# Altium PCB PROB_S7CAS_PCB.PcbDoc (part 2 of 6) (continued)
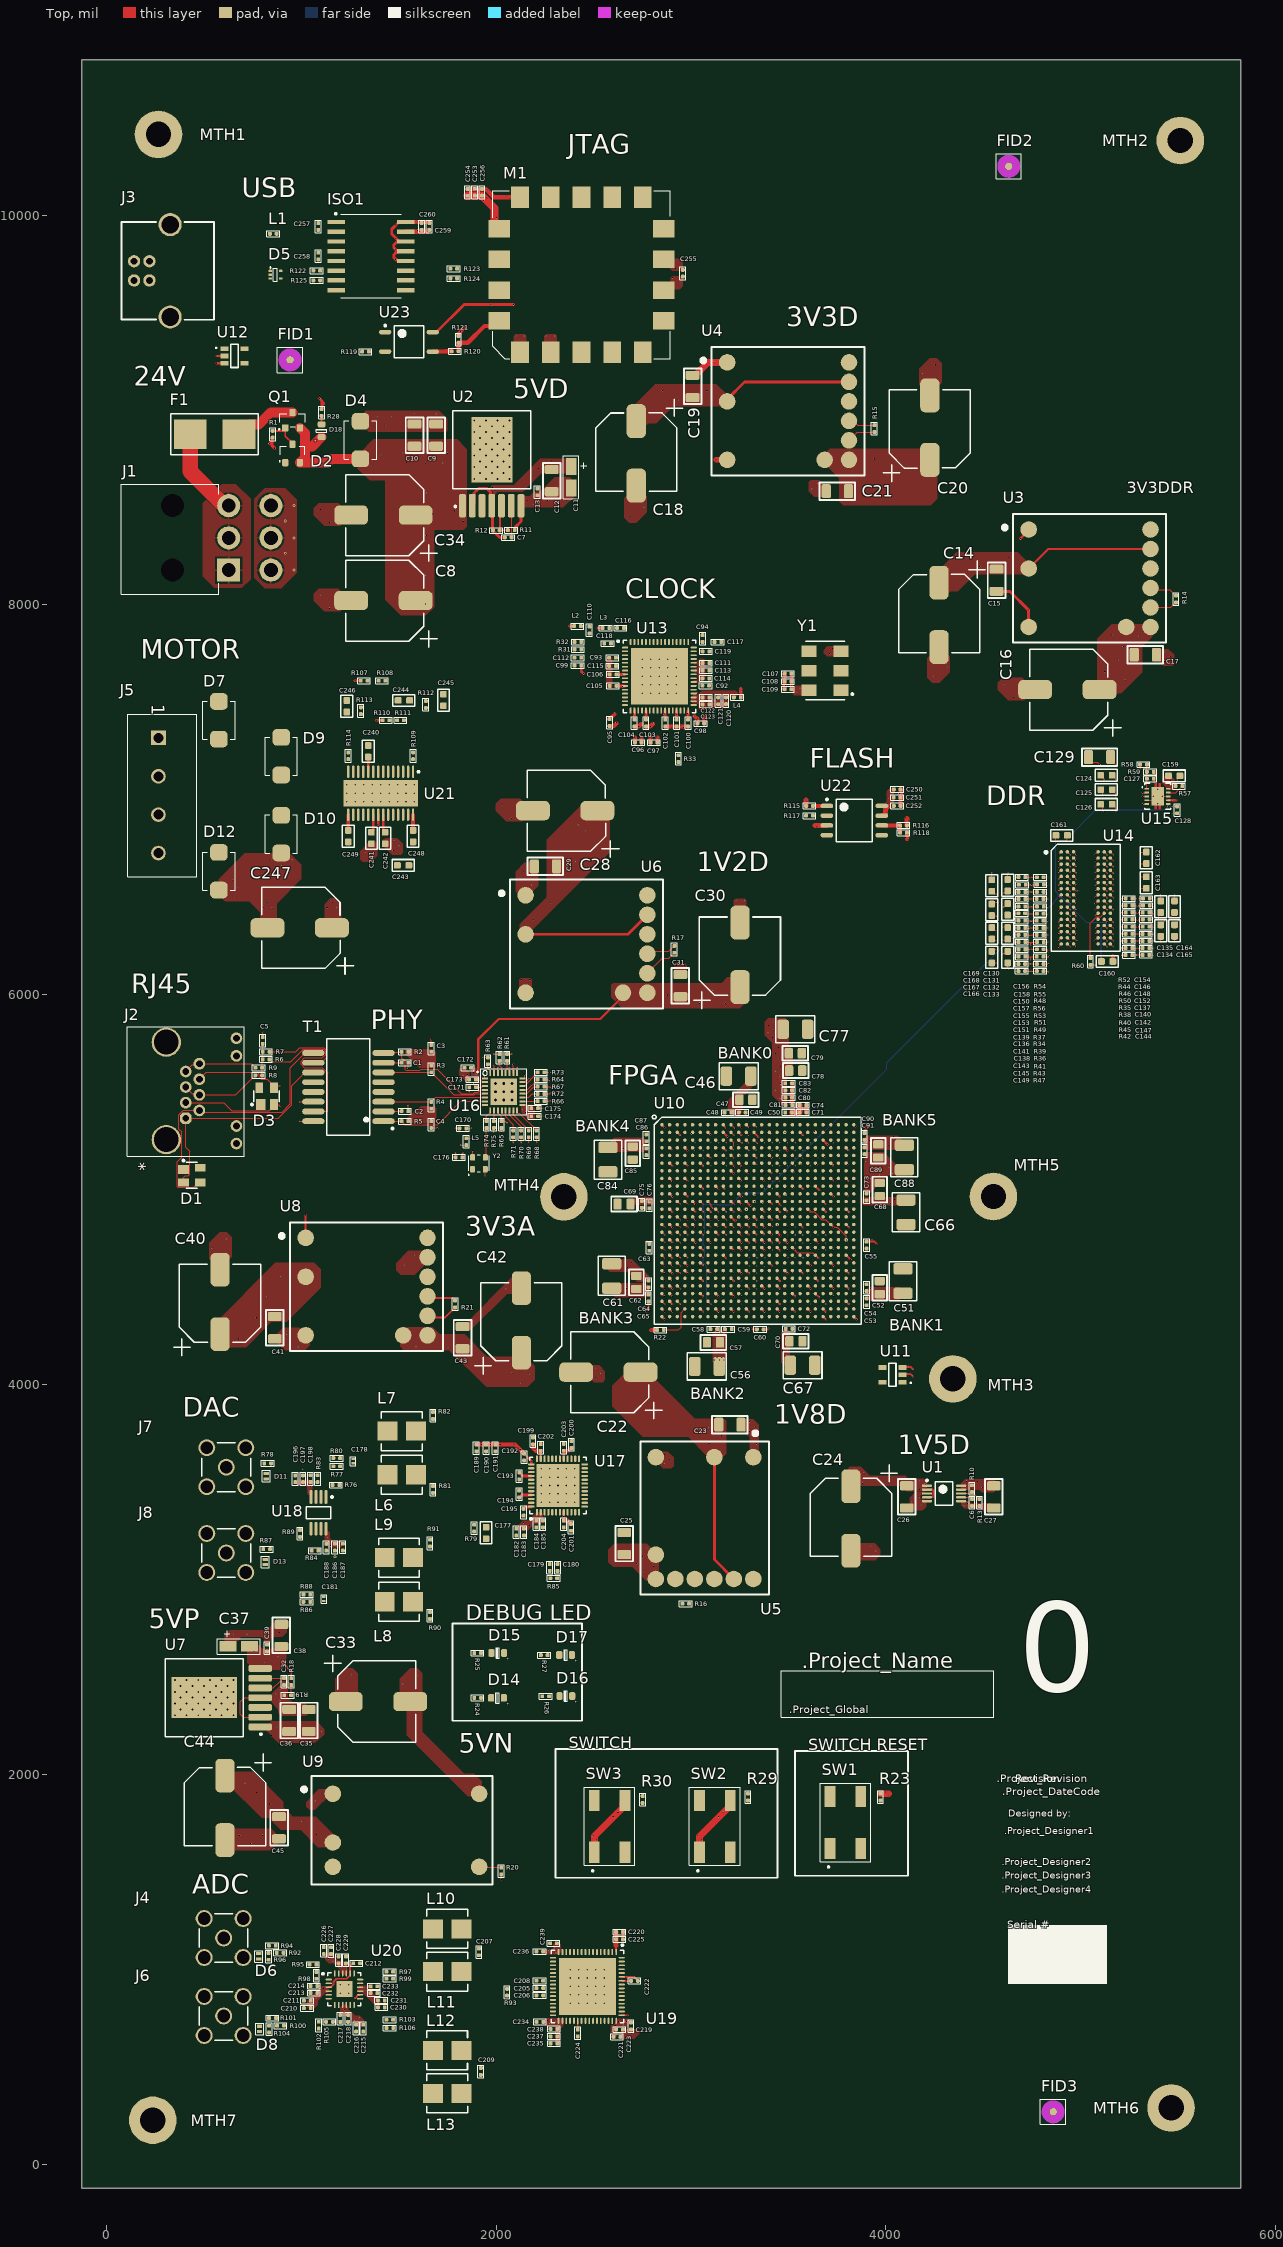
[diagram p0: Top view]
## Footprints (in the part's own frame and the unit in brackets; to place one, negate y for a bottom-side part, rotate by r counter-clockwise, add the part's x,y. Pads: shape width x height; smd on the part's side, far side on the other; paste and mask are expansions set on the pad) (continued)
  oval 0.23x0.8 smd mask+0.07: 17(-3.75,-4.475) 18(-3.25,-4.475) 19(-2.75,-4.475) 20(-2.25,-4.475) 21(-1.75,-4.475) 22(-1.25,-4.475) 23(-0.75,-4.475) 24(-0.25,-4.475) 25(0.25,-4.475) 26(0.75,-4.475) 27(1.25,-4.475) 28(1.75,-4.475) 29(2.25,-4.475) 30(2.75,-4.475) 31(3.25,-4.475) 32(3.75,-4.475) 49(3.75,4.475) 50(3.25,4.475) 51(2.75,4.475) 52(2.25,4.475) 53(1.75,4.475) 54(1.25,4.475) 55(0.75,4.475) 56(0.25,4.475) 57(-0.25,4.475) 58(-0.75,4.475) 59(-1.25,4.475) 60(-1.75,4.475) 61(-2.25,4.475) 62(-2.75,4.475) 63(-3.25,4.475) 64(-3.75,4.475)
  rect 7.4x7.4 smd mask+0.07: PAD(0,0)
  silkscreen extent -5.5,-4.72 4.72,4.72, body extent -4.57,-4.57 4.57,4.57, height 1
TRANSFO_H1102NLT [mil]
  oval 115x30 smd: 1(-180,175) 2(-180,125) 3(-180,75) 4(-180,25) 5(-180,-25) 6(-180,-75) 7(-180,-125) 8(-180,-175) 9(180,-175) 10(180,-125) 11(180,-75) 12(180,-25) 13(180,25) 14(180,75) 15(180,125) 16(180,175)
  silkscreen extent -230,-248 110,248, body extent -175,-252 175,252, height 215
TRX_NMOS_SI2310-TP [mm]
  rrect20% 0.9x0.8 smd paste-0.025 mask+0.07: 1(-1,0.95) 2(-1,-0.95) 3(1,0)
  silkscreen extent -1.24,-1.65 0.84,1.79, body extent -1.32,-1.52 1.32,1.52, height 1.22
TSSOP50P490X104-10N [mm] "TSSOP, 10-Leads, Body 3.00x3.00mm, Pitch 0.50mm, IPC Medium Density"
  oval 1.35x0.3 smd: 1(-2.225,1) 2(-2.225,0.5) 3(-2.225,0) 4(-2.225,-0.5) 5(-2.225,-1) 6(2.225,-1) 7(2.225,-0.5) 8(2.225,0) 9(2.225,0.5) 10(2.225,1)
  silkscreen extent -2.35,-1.55 1.15,1.82, body extent -1.55,-1.55 1.55,1.55, height 1.04
TVS_DATA_TPD1E1B04DPYR [mm]
  rrect25% 0.4x0.7 smd paste-0.025 mask+0.05: 1(-0.35,0) 2(0.35,0)
  silkscreen extent -0.75,-0.53 0.75,0.53, body extent -0.5,-0.3 0.5,0.3, height 0.45
TVS_PWR_SMBJ36CA [mm]
  rrect50% 2.16x2.26 smd paste+0 mask+0.102: 1(-2.45,0) 2(2.45,0)
  silkscreen extent -2.5,-2.1 2.5,2.1, body extent -2.6,-1.97 2.6,1.97, height 2.61
TVS_SR3.3.TCT [mm] "SOT143, 4-Leads, Body 3,0x2,6mm (max), Pitch 1,92mm, IPC Medium Density"
  rect 1.4x1.2 smd: 1(-1.1,0.76)
  rect 1.4x1 smd: 2(-1.1,-0.96) 3(1.1,-0.96) 4(1.1,0.96)
  silkscreen extent -1.22,-1.68 0.7,2.03, body extent -1.14,-1.42 1.22,1.48, height 1.22
TVS_USB_TPD2E001DRLR [mm]
  rrect50% 0.45x0.3 smd paste-0.025 mask+0.05: 1(-0.675,0.5) 2(-0.675,0) 3(-0.675,-0.5) 4(0.675,-0.5) 5(0.675,0.5)
  silkscreen extent -0.73,-0.85 0.25,1.01, body extent -0.8,-0.8 0.8,0.8, height 0.49

## Part data
C1 C2 C3 C4 C6 C7 C13 C32 C39 C48 C49 C50 C53 C54 C55 C58 C59 C60 C63 C64 C65 C71 C72 C73 C74 C75 C76 C80 C81 C82 C83 C86 C87 C90 C91 C92 C93 C94 C95 C96 C97 C98 C99 C100 C101 C102 C103 C104 C105 C106 C107 C108 C109 C110 C111 C112 C113 C114 C115 C116 C117 C118 C119 C120 C121 C122 C123 C127 C128 C136 C137 C138 C139 C140 C141 C142 C143 C144 C145 C146 C147 C148 C149 C150 C151 C152 C153 C154 C155 C156 C157 C158 C170 C171 C172 C173 C174 C175 C176 C179 C180 C182 C183 C184 C185 C186 C187 C188 C189 C190 C191 C192 C193 C194 C195 C196 C197 C198 C199 C200 C201 C202 C203 C204 C205 C206 C207 C208 C209 C210 C211 C212 C213 C214 C215 C216 C217 C218 C219 C220 C221 C222 C223 C224 C225 C226 C227 C228 C229 C230 C231 C232 C233 C234 C235 C236 C237 C238 C239 C250 C251 C252 C253 C254 C255 C256 C257 C258 C259 C260: Package=0402, Voltage=50V, CreatedBy="Jonathan Bouchard", Precision=10%
C5: Package=1206, Voltage=2kV, CreatedBy="Jonathan Bouchard", Precision=10%
C8 C16 C20 C24 C30 C33 C34 C42 C247: library part CAP_ALU_MAL215099101E3, "CAP - ALU 100uF 20% 50V - 1010", Current=490mA, Package=1010, Supplier Part Number 1=4399PHDKR-ND, Temperature="-55°C to 125°C", Voltage=50V, CreatedBy="Jonathan Bouchard", HelpURL=http://www.vishay.com/docs/28395/150crz.pdf, Mfg="Vishay Dale", Mfg Part Number=MAL215099101E3, Precision=20%, Supplier 1=Digikey
C9 C10 C12 C15 C17 C19 C21 C23 C25 C26 C27 C29 C31 C35 C36 C38 C41 C43 C45 C129: Package=1206, Voltage=50V, CreatedBy="Jonathan Bouchard", Precision=10%
C11 C37: library part CAP_TANT_1206(A), "CAP - TANTALUM - 1206", Package=1206, Voltage=6.3V, CreatedBy="Jonathan Bouchard", Precision=10%
C14 C18 C22 C28 C40 C44: library part CAP_ALU_MAL214699501E3, "CAP - ALU 330uF 20% 16V - 1010", Current=750mA, Package=1010, Supplier Part Number 1=4405PHCT-ND, Temperature="-55°C to 125°C", Voltage=16V, CreatedBy="Jonathan Bouchard", HelpURL=http://www.vishay.com/docs/28403/146cti.pdf, Mfg="Vishay Dale", Mfg Part Number=MAL214699501E3, Precision=20%, Supplier 1=Digikey
C46 C51 C56 C61 C66 C67 C77 C84 C88: Package=1210, Voltage=50V, CreatedBy="Jonathan Bouchard", Precision=10%
C47 C52 C57 C62 C68 C69 C70 C78 C79 C85 C89: Package=0805, Voltage=50V, CreatedBy="Jonathan Bouchard", Precision=10%
C124 C125 C126 C130 C131 C132 C133 C134 C135 C159 C160 C161 C162 C163 C164 C165 C166 C167 C168 C169 C177 C240 C241 C242 C243 C244 C245 C246 C248 C249: Package=0603, Voltage=50V, CreatedBy="Jonathan Bouchard", Precision=10%
C178 C181: Package=0201, Voltage=50V, CreatedBy="Jonathan Bouchard", Precision=10%
D1 D3: library part TVS_SR3.3.TCT, "TVS - DIODE ARRAY 3.3V 150W - SOT143-4", Package=SOT143-4, Power=150W, Supplier Part Number 1=SR3.3DKR-ND, Temperature="-55°C to 125°C", Voltage=VBR=3.3V, CreatedBy="Jonathan Bouchard", HelpURL=http://www.semtech.com/images/datasheet/sr3.3.pdf, Mfg=Semtech, Mfg Part Number=SR3.3.TCT, Supplier 1=Digikey
D2: library part DIO_SCHOTTKY_BAS40-04-7-F, "DIO - Schottky Array 1 Pair Series Connection - SOT-23-3", Current Rating=200mA, Manufacturer #1="Diodes Incorporated", Manufacturer #2=-, Package=SOT-23-3, Supplier Part Number 1=BAS40-04FDITR-ND, Temperature="-55°C ~ 125°C", Voltage Rating="40V dc reverse", Assembly Type=SMD, CreatedBy/Date="Danae D-F 15 août 2019", Cryo=UNKNOWN, GRAMS Lib Spec=2.8, HelpURL=https://www.diodes.com/assets/Datasheets/ds11006.pdf, Magnetic Material=Unknown, Part Number #1=BAS40-04-7-F, Part Number #2=-, Polarized=Yes, Power Max=-, Supplier 1=Digi-Key, Tolerance=-, VerifiedBy="C.Paulin - 16/08/2019"
D4 D7 D9 D10 D12: library part TVS_PWR_SMBJ24CA, "TVS - 24V 26.7V 600W - DO214AA", Current Rating=15.5A, Manufacturer #1="Littelfuse Inc.", Package=DO214AA, Power Max=600W, Supplier Part Number 1=SMBJ24CALFCT-ND, Temperature="-65°C ~ 150°C (TJ)", Voltage Rating="24V Standoff", Assembly Type=SMD, CreatedBy/Date="Arnaud Samson - 06/07/18", Cryo=UNKNOWN, GRAMS Lib Spec=2.8, HelpURL=http://www.littelfuse.com/~/media/electronics/datasheets/tvs_diodes/littelfuse_tvs_diode_smbj_datasheet.pdf.pdf, Magnetic Material=UNKNOWN, Part Number #1=SMBJ24CA, Polarized=NO, Supplier 1=Digi-Key, VerifiedBy="Jonathan Bouchard - 2018-07-13"
D5: library part TVS_USB_TPD2E001DRLR, "TVS - USB TVS DIODE 5.5V - SOT-553", Manufacturer #1="Texas Instruments", Package=SOT-553, Supplier Part Number 1=296-21883-1-ND, Temperature="-40°C ~ 85°C (TA)", Voltage Rating="5.5V (Max)", Assembly Type=SMD, CreatedBy/Date="Jonathan Bouchard 2018-07-10", Cryo=UNKNOWN, GRAMS Lib Spec=2.8, HelpURL=http://www.ti.com/lit/ds/symlink/tpd2e001.pdf, Magnetic Material=YES, Part Number #1=TPD2E001DRLR, Polarized=YES, Supplier 1=Digi-Key, VerifiedBy="Arnaud Samson 16-07-18"
D6 D8 D11 D13: library part TVS_DATA_TPD1E1B04DPYR, "TVS - TVS DIODE 3.6V 8.5V - 0402", Current Rating=6.3Apeak, Manufacturer #1="Texas Instruments", Package=0402, Power Max=50Wpeak, Supplier Part Number 1=296-47364-1-ND, Temperature="-40°C ~ 125°C (TA)", Voltage Rating=3.6V, Assembly Type=SMD, CreatedBy/Date="Keven Deslandes - 2018/10/19", Cryo=UNKNOWN, GRAMS Lib Spec=2.8, HelpURL=http://www.ti.com/lit/ds/symlink/tpd1e1b04.pdf, Magnetic Material=Unknown, Part Number #1=TPD1E1B04DPYR, Polarized=No, Supplier 1=Digi-Key, VerifiedBy="Caroline Paulin - 28 janv 2019"
D14 D15 D16 D17: library part LED_SML-311DTT86, "LED - 611nM ORANGE 2mA - 0603", Current=2mA, Package=0603, Power=44mW, Supplier Part Number 1=511-1303-1-ND, Temperature="-40°C to 85°C", Voltage=1.8V, CreatedBy="Jonathan Bouchard", HelpURL=http://media.digikey.com/pdf/Data%20Sheets/Rohm%20PDFs/SML-311%20Series.pdf, Mfg="ROHM Semiconductor", Mfg Part Number=SML-311DTT86, Supplier 1=Digikey
D18: library part LED_SML-311UTT86, "LED - 620nM RED 2mA - 0603", Current=2mA, Package=0603, Power=44mW, Supplier Part Number 1=511-1304-1-ND, Temperature="-30°C to 85°C", Voltage=1.8V, CreatedBy="Jonathan Bouchard", HelpURL=http://media.digikey.com/pdf/Data%20Sheets/Rohm%20PDFs/SML-311%20Series.pdf, Mfg="ROHM Semiconductor", Mfg Part Number=SML-311UTT86, Supplier 1=Digikey
F1: library part FUS_0154002.DR, "FUS - 2 A 125 VAC/VDC - 2-SMD", Current Rating=2A, Manufacturer #1="Littelfuse Inc.", Package=2-SMD, Supplier Part Number 1=F1224CT-ND, Temperature="-55°C ~ 125°C", Voltage Rating=125V, Assembly Type=SMD, CreatedBy/Date="Jonathan Bouchard 2018-07-17", Cryo=UNKNOWN, GRAMS Lib Spec=2.8, HelpURL=http://www.littelfuse.com/~/media/electronics/datasheets/fuses/littelfuse_fuse_154_154t_154l_154tl_datasheet.pdf.pdf, Magnetic Material=UNKNOWN, Part Number #1=0154002.DR, Polarized=NO, Supplier 1=Digi-Key, VerifiedBy="Arnaud Samson 23-07-18"
FID1 FID2 FID3: library part FID_CIRCLE_1MM, "FID - FIDUCIAL 1MM CIRCLE DOUBLE-SIDED - 1MM", Package="1MM CIRCLE", Assembly Type=NONE, CreatedBy/Date="Jonathan Bouchard 2018-07-23", Cryo=UNKNOWN, GRAMS Lib Spec=2.8, HelpURL=https://www.pcb-3d.com/wordpress/wp-content/uploads/ipc-sm-782a_amendment_1_and_2.pdf, Magnetic Material=NO, VerifiedBy="Caroline Paulin - 25 juillet 2018"
ISO1: library part ISO_ADUM3160BRWZ-RL, "ISO - DGTL ISO 2.5KV 2CH USB - 16SOIC", Manufacturer #1="Analog Devices", Package=16-SOIC, Supplier Part Number 1=ADUM3160BRWZ-RLCT-ND, Temperature="-40°C ~ 105°C", Voltage Rating=3~5.5V, Assembly Type=SMD, CreatedBy/Date="Tommy Rossignol 2018-11-16", Cryo=UNKNOWN, GRAMS Lib Spec=2.8, HelpURL=https://www.analog.com/media/en/technical-documentation/data-sheets/ADuM3160.pdf, Magnetic Material=UNKNOWN, Part Number #1=ADUM3160BRWZ-RL, Polarized=Yes, Supplier 1=Digi-Key, VerifiedBy="Caroline Paulin - 13 février 2019"
J1: library part CON_MINIFIT_0039300060, "CON - Mini-Fit Through Hole, Right Angle 6 position", Current Rating=8A, Manufacturer #1=Molex, Package=TH, Supplier Part Number 1=WM21353-ND, Temperature="- 40°C to + 80°C", Voltage Rating=600V, Assembly Type=TH, CreatedBy/Date="Joel Lemay 2018-06-21", Cryo=UNKNOWN, GRAMS Lib Spec=2.8, HelpURL=https://www.molex.com/pdm_docs/sd/039300060_sd.pdf, Magnetic Material=Unknown, Part Number #1=0039300060, Polarized=Yes, Supplier 1=Digi-Key, VerifiedBy="Caroline Paulin - 10 sept 2018"
J2: library part CONN_ETHERNET_RJHSE-5385, "CONN - MOD JACK RJ45 R/A ETHERNET - TH", Package=TH-12, Supplier Part Number 1=RJHSE-5385-ND, Temperature="-55°C ~ 85°C", CreatedBy="Jonathan Bouchard", HelpURL=https://www.amphenolcanada.com/ProductSearch/drawings/AC/RJHSE538X.pdf, Mfg=Amphenol, Mfg Part Number=RJHSE-5385, Supplier 1=Digikey
J3: library part CON_USB_USB-B-S-F-B-TH, "CON - USB B RECPT TH R/A - 4-TH", Manufacturer #1="Samtec Inc.", Package=4-TH, Supplier Part Number 1=SAM10867-ND, Temperature="-50°C ~ 85°C", Voltage Rating=30VAC, Assembly Type=TH, CreatedBy/Date="Jonathan Bouchard 2020-03-24", Cryo=UNKNOWN, GRAMS Lib Spec=2.8c, HelpURL=http://suddendocs.samtec.com/catalog_english/usb_b.pdf, Magnetic Material=UNKNOWN, Part Number #1=USB-B-S-F-B-TH, Polarized=YES, Supplier 1=Digi-Key, VerifiedBy="C.Paulin - 22/04/2020"
J4 J6 J7 J8: library part CONN_SMA_5-1814400-1, "CONN -  SMA JACK R/A 50 OHM - TH", Package=TH-5, Supplier Part Number 1=A97593-ND, Temperature="-55°C ~ 85°C", CreatedBy="Jonathan Bouchard", HelpURL=http://www.te.com/commerce/DocumentDelivery/DDEController?Action=srchrtrv&DocNm=1814400&DocType=Customer+Drawing&DocLang=English, Mfg="TE Connectivity AMP Connectors", Mfg Part Number=5-1814400-1, Supplier 1=Digikey
J5: library part CONN_TERMINAL_OSTTC040162, "CONN -  TERMINAL BLOCK 4POS 5MM - TH", Package=TH-4, Supplier Part Number 1=ED2602-ND, Temperature="-30°C ~ 105°C", CreatedBy="Jonathan Bouchard", HelpURL=http://www.on-shore.com/wp-content/uploads/2015/09/osttcxx0162.pdf, Mfg="On Shore Technology Inc.", Mfg Part Number=OSTTC040162, Supplier 1=Digikey
L1 L5: Current=1A, Package=0402, CreatedBy="Jonathan Bouchard"
L2 L3 L4: Current=2A, Package=0805, CreatedBy="Jonathan Bouchard"
L6 L7 L8 L9 L10 L11 L12 L13: "IND PWR BEAD 50NH 48A SMD", GRAMS Lib Spec=2.7, HelpURL=https://productfinder.pulseelectronics.com/api/open/part-attachments/datasheet/pa5190.500hlt
M1: library part MOD_JTAG_410-357-B, "MOD - JTAG-SMT3-NC Programming Module For Xilinx FPGA - 18-SMT", Manufacturer #1=Digilent, Package="18-pad SMT", Supplier Part Number 1=1286-1196-ND, Temperature="-40°C ~ 85°C", Voltage Rating="VDD: 2.97V~3.63V, VJTAG/VUART: 1.65V~5.5V", Assembly Type=SMD, CreatedBy/Date="Tommy Rossignol 2018-11-23", Cryo=UNKNOWN, GRAMS Lib Spec=2.8, HelpURL=https://reference.digilentinc.com/_media/reference/programmers/jtag-smt3/jtag-smt3-nc_rm.pdf, Magnetic Material=Unknown, Note="Prior to reflow, the JTAG-SMT3-NC module must be dried at 125°C for 17 hours", Part Number #1=410-357-B, Polarized=Yes, Supplier 1=Digi-Key, VerifiedBy="Nicolas V. (2019-01-28)"
MTH1 MTH2 MTH3 MTH4 MTH5 MTH6 MTH7: library part MTH_M3, "MTH - MOUNTING HOLE M3 PLATED - M3", Assembly Type=NONE, CreatedBy/Date="Jonathan Bouchard 2018-07-23", Cryo=UNKNOWN, GRAMS Lib Spec=2.8, HelpURL=https://littlemachineshop.com/images/gallery/PDF/TapDrillSizes.pdf, Magnetic Material=NO, Package=M3, VerifiedBy="Arnaud Samson 23-07-18"
Q1: library part TRX_NMOS_SI2310-TP, "TRX - MOSFET N-CH 60V 3A - SOT-23", Current Rating=3A, Manufacturer #1="Micro Commercial Co", Package=SOT-23, Power Max=350mW, Supplier Part Number 1=SI2310-TPMSCT-ND, Temperature="-55°C ~ 150°C (TJ)", Voltage Rating="60V (Vds max), 2V (Vgs @ 250uA)", Assembly Type=SMD, CreatedBy/Date="Louis-Daniel Gaulin / 20-02-2020", Cryo=UNKNOWN, GRAMS Lib Spec=2.8c, HelpURL=https://www.mccsemi.com/pdf/Products/SI2310(SOT-23)-A.pdf, Magnetic Material=UNKNOWN, Part Number #1=SI2310-TP, Polarized=Yes, Supplier 1=Digi-Key, VerifiedBy="C.Paulin - 21/02/2020"
R1 R2 R3 R4 R5 R6 R7 R8 R9 R10 R11 R12 R13 R14 R15 R16 R17 R18 R19 R20 R21 R22 R23 R24 R25 R26 R27 R28 R29 R30 R31 R32 R34 R35 R36 R37 R38 R39 R40 R41 R42 R43 R44 R45 R46 R47 R48 R49 R50 R51 R52 R53 R54 R55 R56 R57 R58 R59 R60 R61 R62 R63 R64 R65 R66 R67 R68 R69 R70 R71 R72 R73 R74 R75 R76 R77 R78 R79 R80 R81 R82 R83 R84 R85 R86 R87 R88 R89 R90 R91 R92 R93 R94 R95 R96 R97 R98 R99 R100 R101 R102 R103 R104 R105 R106 R107 R108 R109 R110 R111 R112 R113 R114 R115 R116 R117 R118 R119 R120 R121 R122 R123 R124 R125: Package=0402, Power=1/16W, Voltage=50V, CreatedBy="Jonathan Bouchard", Precision=1%
R33: library part CMP-011-000024-1, Package=0402, Power=1/16W, Voltage=50V, Component Type=Standard, CreatedBy="Jonathan Bouchard", Design Item ID="RES - 0402", Pin Count=2, Precision=1%, Source=S7CAS_LIB2021.SchLib
SW1 SW2 SW3: library part SWI_TACT_B3SN-3012P, "SWI - TACT SPST-NO 0.05A 24V - 4-SMD", Current=50mA, Package=4-SMD, Supplier Part Number 1=SW261CT-ND, Temperature="-25°C ~ 70°C", Voltage=24V, CreatedBy="Jonathan Bouchard", HelpURL=http://www.omron.com/ecb/products/pdf/en-b3sn.pdf, Mfg=Omron, Mfg Part Number=B3SN-3012P, Supplier 1=Digikey
T1: library part TRANSFO_H1102NLT, "TRANSFO - ETHERNET 10/100B-TX - SMD-16", Package=SMD-16, Supplier Part Number 1=553-1532-1-ND, Temperature="-40°C to 85°C", CreatedBy="Jonathan Bouchard", HelpURL=http://media.digikey.com/pdf/Data%20Sheets/Pulse%20PDFs/10_100BASE-T%20Single%20Port%20SMD%20Magnetics_Rev2008.pdf, Mfg="Pulse Eng.", Mfg Part Number=H1102NLT, Supplier 1=Digikey
U1: "MIC61300 - Low Input Voltage, Single-Supply / High-Current LDO - MSOP", GRAMS Lib Spec=2.7, HelpURL=https://ww1.microchip.com/downloads/en/DeviceDoc/mic61300.pdf
U2 U7: library part REG_SWR_LMZ23605TZE/NOPB, "REG - IC BUCK SYNC 36V 5A - TO-PMOD-7", Current Rating=5A, Manufacturer #1="Texas Instruments", Package=TO-PMOD-7, Supplier Part Number 1=296-35357-1-ND, Temperature="-40°C ~ 125°C", Voltage Rating="6 ~ 36 V", Assembly Type=SMD, CreatedBy/Date="Arnaud Samson - 05/07/18", Cryo=UNKNOWN, GRAMS Lib Spec=2.8, HelpURL=http://www.ti.com/lit/ds/symlink/lmz23605.pdf, Magnetic Material=YES, Note="One Reflow", Part Number #1=LMZ23605TZE/NOPB, Polarized=YES, Supplier 1=Digi-Key, VerifiedBy="Jonathan Bouchard 2018-07-13"
U3 U4 U5 U6 U8: library part REG_SWR_PTH04T231WAZ, "REG - MODULE PIP 6A 2.2V/5.5V - 10SMD", Current Rating="6A (out)", Manufacturer #1="Texas Instruments", Package=SMD, Supplier Part Number 1=296-21792-ND, Temperature="-40°C ~ 85°C", Voltage Rating="2.2-5.5V (Input)", Assembly Type=SMD, CreatedBy/Date="Olivier Bernard / 6/5/2018", Cryo=UNKNOWN, HelpURL=http://www.ti.com/lit/ds/symlink/pth04t231w.pdf, Magnetic Material=UNKNOWN, Part Number #1=PTH04T231WAZ, Polarized=Yes, Supplier 1=Digi-Key, VerifiedBy="Caroline Paulin / 10 juillet 2018"
U9: library part REG_SWR_PTN04050AAZT, "REG - SWR -15 ~ -3.3V 1A 6W - 5-SMD", Current Rating=1A, Manufacturer #1="Texas Instruments", Package=5-SMD, Power Max=6W, Supplier Part Number 1=296-32208-1-ND, Temperature="-40°C ~ 85°C", Voltage Rating=2.9V~7Vin, Assembly Type=5-SMD, CreatedBy/Date="Ihsane Najahi 2019-09-25", Cryo=UNKNOWN, GRAMS Lib Spec=2.8, HelpURL=http://www.ti.com/lit/ds/symlink/ptn04050a.pdf, Magnetic Material=Unknown, Part Number #1=PTN04050AAZT, Polarized=Yes, Supplier 1=Digi-Key, VerifiedBy="C.Paulin (9-10-2019)"
U10: library part FPGA_XC6SLX100-3FGG676C, "FPGA - XILINX SPARTAN 6 480 I/O - BGA-676", Package=BGA-676, Supplier Part Number 1=122-1760-ND, Temperature="0°C ~ 85°C (TJ)", Voltage="1.14 V ~ 1.26 V", CreatedBy="Jonathan Bouchard", HelpURL=https://www.xilinx.com/support/documentation/data_sheets/ds162.pdf, Mfg=Xilinx, Mfg Part Number=XC6SLX100-3FGG676C, Supplier 1=Digikey
U11 U12: library part SENS_TEMP_TC74A0-3.3VCTTR, "SENS - TEMPERATURE SENSOR I2C/SMBUS - SOT23-5", Package=SOT23-5, Supplier Part Number 1=TC74A0-3.3VCTDKR-ND, Temperature="-40°C ~ 125°C", Voltage="2.7 V ~ 5.5 V", CreatedBy="Jonathan Bouchard", HelpURL=http://ww1.microchip.com/downloads/en/DeviceDoc/21462D.pdf, Mfg=Microchip, Mfg Part Number=TC74A0-3.3VCTTR, Precision="±2°C (±3°C)", Supplier 1=Digikey
U13: library part TIM_CDCE62005RGZT, "TIM - CLK SYNTH JITTER CLEANER 3:5 - QFN-48", Package=QFN-48, Supplier Part Number 1=296-23947-1-ND, Temperature="-40°C ~ 85°C", Voltage="3 V ~ 3.6 V", CreatedBy="Jonathan Bouchard", HelpURL=http://www.ti.com/lit/ds/symlink/cdce62005.pdf, Mfg="Texas Instruments", Mfg Part Number=CDCE62005RGZT, Supplier 1=Digikey
U14: "MEM - DDR3 SDRAM 2GBIT 800MHZ - TFBGA-96", Package=TFBGA-96, Supplier Part Number 1=557-1611-1-ND, Temperature="0°C ~ 95°C (TC)", Voltage="1.425 V ~ 1.575 V", CreatedBy="Jonathan Bouchard", HelpURL=http://ww1.microchip.com/downloads/en/DeviceDoc/00002275A.pdf, Mfg=Micrel, Mfg Part Number=http://www.micron.com/~/media/Documents/Products/Data%20Sheet/DRAM/DDR3/2Gb_DDR3_SDRAM.pdf, Supplier 1=Digikey
U15: library part REG_PMIC_TPS51200DRCT, "REG - DDR TERMINATION/REF REG - 10-VFDFN", Current Rating="Source: 3A~4.5A, Sink: 3.5A~5.5A", Manufacturer #1="Texas Instruments", Package=10-VFDFN, Supplier Part Number 1=296-23830-1-ND, Temperature="-40°C ~ 85°C", Voltage Rating="2.375V ~ 3.5V", Assembly Type=SMD, CreatedBy/Date="Joel Lemay 2019-03-19", Cryo=UNKNOWN, GRAMS Lib Spec=2.8, HelpURL=http://www.ti.com/lit/ds/symlink/tps51200.pdf, Magnetic Material=Unknown, Part Number #1=TPS51200DRCT, Polarized=Yes, Supplier 1=Digi-Key, VerifiedBy="Nicolas V. (2019-05-31)"
U16: library part COM_ETH_PHY_KSZ8091MNXCA, "COM - ETHERNET PHY 10/100 - QFN-32", Package=QFN-32, Supplier Part Number 1=576-4356-ND, Temperature="0°C ~ 70°C", Voltage="1.8V, 2.5V, 3.3V", CreatedBy="Jonathan Bouchard", HelpURL=http://ww1.microchip.com/downloads/en/DeviceDoc/00002275A.pdf, Mfg=Micrel, Mfg Part Number=KSZ8091MNXCA, Supplier 1=Digikey
U17: library part DAC_AD9146BCPZ, "DAC - 16BIT SRL HIGH SPEED - QFN-48", Package=QFN-48, Supplier Part Number 1=AD9146BCPZ-ND, Temperature="-40°C ~ 85°C", Voltage="3.13 V ~ 3.47 V / 1.71 V ~ 1.89 V", CreatedBy="Jonathan Bouchard", HelpURL=http://www.analog.com/media/en/technical-documentation/data-sheets/AD9146.PDF, Mfg="Analog Devices Inc.", Mfg Part Number=AD9146BCPZ, Precision="16 Bit", Supplier 1=Digikey
U18: library part OPAMP_AD8056ARMZ, "OPAMP - VFB 300MHZ - 8MSOP", Current=60mA, Package=MSOP-8, Supplier Part Number 1=AD8056ARMZ-REEL7CT-ND, Temperature="-40°C ~ 125°C", Voltage="8 V ~ 12 V, ±4 V ~ 6 V", CreatedBy="Jonathan Bouchard", HelpURL=http://www.analog.com/media/en/technical-documentation/data-sheets/AD8055_8056.pdf, Mfg="Analog Devices", Mfg Part Number=AD8056ARMZ, Supplier 1=Digikey
U19: library part ADC_ADS62P48IRGCT, "ADC - 14 BIT 210MSPS SUAL - VQFN-64", Package=VQFN-64, Supplier Part Number 1=296-24611-1-ND, Temperature="-40°C ~ 85°C", Voltage="3.15 V ~ 3.6 V / 1.7 V ~ 1.9 V", CreatedBy="Jonathan Bouchard", HelpURL=http://www.ti.com/lit/ds/symlink/ads62p48.pdf, Mfg="Texas Instruments", Mfg Part Number=ADS62P48IRGCT, Precision="14 Bit", Supplier 1=Digikey
U20: library part OPAMP_ADA4927-2YCPZ-R2, "OPAMP - CFA 2.3GHZ - QFN-24", Current=65mA, Package=QFN-24, Supplier Part Number 1=ADA4927-2YCPZ-R2CT-ND, Temperature="-40°C ~ 105°C", Voltage="4.5 V ~ 11 V, ±2.25 V ~ 5.5 V", CreatedBy="Jonathan Bouchard", HelpURL=http://www.analog.com/media/en/technical-documentation/data-sheets/ADA4927-1_4927-2.pdf, Mfg="Analog Devices", Mfg Part Number=ADA4927-2YCPZ-R2, Supplier 1=Digikey
U21: library part POW_MOTOR_DRV8811PWPR, "POW - STEPPER MOTOR DRIVER - SOP-28", Package=SOP-28, Supplier Part Number 1=296-24591-1-ND, Temperature="-40°C ~ 150°C (TJ)", Voltage="3 V ~ 5.5 V / 8 V ~ 38 V", CreatedBy="Jonathan Bouchard", HelpURL=http://www.ti.com/lit/ds/symlink/drv8811.pdf, Mfg="Texas Instrument", Mfg Part Number=DRV8811PWPR, Supplier 1=Digikey
U22: library part "IC FLASH 32MBIT SPI 108MHZ 8SO", "N25Q032A - 32Mb, 3V, Multiple I/O Serial Flash Memory - 8-SOIC (0.209\", 5.30mm Width)", GRAMS Lib Spec=2.7, HelpURL=https://www.alliancememory.com/wp-content/uploads/pdf/micron/Micron_Datasheet_N25Q032A_RevJ.pdf
U23: "LTV-356T - OPTOISOLATOR 3.75KV TRANS - 4-SOP", GRAMS Lib Spec=2.7, HelpURL=https://optoelectronics.liteon.com/upload/download/DS70-2001-010/LTV-356T%20series%20Rev.P.PDF
Y1: library part OSC_590BD-BDG, "TIM - OSC PROG 125MHz ~ 214.999MHz LVDS 3.3V 7PPM EN/DS - 6-SMD", Current Rating="100 mA (supply)", Manufacturer #1="Silicon Labs", Package=6-SMD, Supplier Part Number 1=590BD-BDG-ND, Temperature="-40°C ~ 85°C", Voltage Rating="3.3V (supply)", Assembly Type=SMD, CreatedBy/Date="from 590BD-CDG", Cryo=UNKNOWN, GRAMS Lib Spec=2.8, HelpURL=https://www.silabs.com/documents/public/data-sheets/Si590-591.pdf, Magnetic Material=UNKNOWN, Note="Spécifié la fréquence lors de la commande", Part Number #1=590BD-BDG, Polarized=Yes, Supplier 1=Digi-Key, VerifiedBy="Caroline Paulin / 3/10/2019"
Y2: library part OSC_ASDMB-25.000MHZ-LC-T, "OSC - 25MHz XO (Standard) LVCMOS - 4-SMD, No Lead", Manufacturer #1="Abracon LLC", Package="4-SMD, No Lead", Supplier Part Number 1=535-11730-1-ND, Temperature="-40°C ~ +85°C", Tolerance=±50ppm, Voltage Rating="1.8V ~ 3.3V", Assembly Type=SMD, CreatedBy/Date="Joël Lemay 2019-03-29", Cryo=UNKNOWN, GRAMS Lib Spec=2.8, HelpURL=https://abracon.com/Oscillators/ASDMB.pdf, Magnetic Material=Unknown, Part Number #1=ASDMB-25.000MHZ-LC-T, Polarized=Yes, Supplier 1=Digi-Key, VerifiedBy="C. Paulin - 29 mai 2019"

## Via types
v1: diameter 7, hole 4, Top to Bottom, 1079 vias
v2: diameter 19.68, hole 7.87, Top to Bottom, 110 vias
v3: diameter 20, hole 10, Top to Bottom, 78 vias
v4: diameter 15, hole 4, Top to Bottom, 5 vias
v5: diameter 15, hole 6, Top to Bottom, 1 vias

## Nets (pads, with @x,y where several pads share a name; then routed paths per layer and width w, separated by ;. In a path a pad name is that pad's centre, name@x,y a point inside that pad or via, vN(x,y) a via of type N, cw(c..) or ccw(c..) an arc to the next point about the centre after c; other vN are vias at no path point)
1V2D: C30.1 C31.2 C77.2 C78.2 C79.2 C80.2 C81.2 C82.2 C83.2 C172.2 C173.2 U6.4 U6.5 U10.K11 U10.K17 U10.L10 U10.L12 U10.L14 U10.L16 U10.M11 U10.M13 U10.M15 U10.N12 U10.N14 U10.N16 U10.P11 U10.P13 U10.P15 U10.R12 U10.R14 U10.R16 U10.T11 U10.T13 U10.T15 U10.T17 U10.U10 U10.U16 U16.2 | length 1440.3
  Top w10: U6.4@2651.02,5992.28 U6.4@2651.02,6010.09 ; U10.U10@3205.01,4702.99 3219.02,4688.98 v1(3219.02,4688.42) ; U10.L10@3205.05,4939.21 v1(3219.34,4924.96) ; U10.T11@3244.38,4742.36 v1@3258.63,4728.11 ; U10.P11@3244.38,4821.1 v1@3258.63,4806.85 ; U10.M11@3244.38,4899.84 3244.47,4899.84 v1(3254.12,4890.18) ; U10.K11@3244.38,4978.58 v1@3258.63,4964.33 ; U10.R12@3283.75,4781.73 3296.99,4768.5 v1(3298.08,4768.5) ; U10.N12@3283.75,4860.47 3285.84,4860.47 3294.83,4851.48 v1(3295.55,4851.48) ; U10.L12@3283.75,4939.21 3304.88,4918.09 v1(3304.96,4918.09) ; U10.T13@3323.12,4742.36 3323.21,4742.36 v1(3332.5,4733.06) ; U10.P13@3323.12,4821.1 v1(3336.84,4807.47) v1(3336.84,4807.47) ; U10.M13@3323.12,4899.84 3323.21,4899.84 v1(3328.83,4894.22) ; U10.R14@3362.49,4781.73 3362.93,4781.73 v1(3374.35,4770.31) ; U10.N14@3362.49,4860.47 3362.58,4860.47 v1(3369.56,4853.48) ; U10.L14@3362.49,4939.21 3362.58,4939.21 v1(3368.2,4933.59) ; U10.T15@3401.86,4742.36 v1@3416.11,4728.11 ; U10.P15@3401.86,4821.1 U10.P15@3401.86,4821.1 v1(3413.55,4809.5) ; U10.M15@3401.86,4899.84 U10.M15@3401.86,4899.84 v1(3408.93,4892.85) ; U10.U16@3441.23,4702.99 v1@3455.48,4688.74 ; U10.R16@3441.23,4781.73 v1(3458.63,4764.41) v1(3458.63,4764.41) ; U10.N16@3441.23,4860.47 3441.32,4860.47 v1(3452.92,4848.87) ; U10.L16@3441.23,4939.21 3460.24,4920.2 v1(3460.32,4920.2) ; U10.T17@3480.6,4742.36 v1(3494.93,4728.11) ; U10.K17@3480.6,4978.58 3481.63,4978.58 v1(3488.14,4972.07)
  Top w12: 1907.52,5603.38 1907.52,5769.63 2013.2,5875.32 2534.05,5875.32 U6.4@2651.02,5992.28
  other v1: 3455.56,4688.74 3258.71,4728.11 3416.19,4728.11 3258.71,4806.85 3259.32,4964.67 3456.17,5472.12 3435.38,5510.5 3459.11,5544.13 1916.07,5555.88 3452.08,5584.54 1896.65,5589.06 1884.28,5601.72 3435.37,5607.75 3457.73,5631.36 3450.3,5673.76 3432.24,5698.32 3448.86,5727.66 3417.81,5781.83 3395.1,5801.53 3419.24,5819.95 3396.37,5842.03 3419.24,5860 3043.68,5955.76 3176.45,5955.76 2878.52,5997.06 3111.73,6023.59
1V5D: C27.2 C61.2 C62.2 C63.2 C64.2 C65.2 C84.2 C85.2 C86.2 C87.2 C88.2 C89.2 C90.2 C91.2 C162.2 C163.2 C164.2 C165.2 C166.2 C167.2 C168.2 C169.2 R10.2 R58.2 U1.9 U1.10 U10.AC6 U10.AD2 U10.D2 U10.D25 U10.F4 U10.F23 U10.H2 U10.H25 U10.J6 U10.J21 U10.K4 U10.K23 U10.M2 U10.M7 U10.M25 U10.P4 U10.P9 U10.T2 U10.T7 U10.W4 U10.W6 U10.Y2 U14.A1 U14.A8 U14.B2 U14.C1 U14.C9 U14.D2 U14.D9 U14.E9 U14.F1 U14.G7 U14.H2 U14.H9 U14.K2 U14.K8 U14.N1 U14.N9 U14.R1 U14.R9 U15.2 | length 1147.7
  Top w4: C166.2@4543.01,6222.39 4553.27,6232.65 4569.43,6232.65 v1(4570,6233.22) ; C167.2@4543.02,6285.21 4549.6,6278.63 v1(4570,6278.63) ; C168.2@4543.02,6464.57 4553.18,6474.73 4575.38,6474.73 4580.99,6469.12 v1(4581.8,6469.12) ; C169.2@4543.02,6530.42 4555.96,6517.47 4566.02,6517.47 4569.15,6514.34 v1(4569.96,6514.34) ; v1(4884.95,6341.36) 4885.31,6341.36 4898.88,6354.93 U14.N1@4899.24,6354.93 ; v1(4884.95,6561.83) 4885.31,6561.83 4898.88,6575.41 U14.F1@4899.24,6575.41 ; v1(4884.95,6656.32) 4885.31,6656.32 4898.88,6669.89 U14.C1@4899.24,6669.89 ; v1(4884.95,6719.31) 4885.31,6719.31 4898.88,6732.89 U14.A1@4899.24,6732.89 ; v1(4885.56,6273.54) 4885.52,6273.58 4885.52,6278.58 4898.88,6291.94 U14.R1@4899.24,6291.94 ; U14.H2@4930.74,6512.41 4931.11,6512.41 4944.7,6498.82 v1(4945.07,6498.82) ; U14.D2@4930.74,6638.4 4934.45,6638.4 4941.13,6631.72 4944.5,6631.72 v1(4945.07,6631.15) ; U14.B2@4930.74,6701.39 4930.87,6701.39 4944.94,6687.32 v1(4945.07,6687.32) ; U14.K2@4930.78,6449.42 v1@4945.03,6435.17 ; v1(5073.92,6530.34) 5074.28,6530.34 5087.86,6543.91 U14.G7@5088.22,6543.91 ; U14.K8@5119.76,6449.42 v1(5134.05,6435.17) ; U14.A8@5119.76,6732.89 v1(5134.05,6718.64) ; U14.R9@5151.25,6291.94 v1(5165.54,6277.69) ; U14.N9@5151.25,6354.93 v1(5165.54,6340.68) ; U14.H9@5151.25,6512.41 v1(5165.54,6498.16) ; U14.E9@5151.25,6606.9 v1(5165.54,6592.65) ; U14.D9@5151.25,6638.4 v1(5165.54,6624.15) ; U14.C9@5151.25,6669.89 v1(5165.54,6655.64) ; v1(5303.72,6604.91) C163.2@5335.62,6604.91 ; v1(5303.72,6672.57) C162.2@5335.63,6672.57 ; v1(5315.37,7036.9) U15.2@5338.6,7036.9 ; v1(5460,6390) 5460,6401.15 5480.26,6421.42 C164.2@5480.26,6421.92 ; C165.2@5480.27,6358.4 5480.27,6358.88 v1(5507.84,6386.43)
  Top w10: v1@2773.99,4733.18 C63.2@2785.76,4721.41 ; U10.AD2@2890.05,4427.4 v1(2904.34,4413.15) ; U10.Y2@2890.05,4584.88 v1(2904.34,4570.63) ; U10.T2@2890.05,4742.36 2892.14,4742.36 2903.91,4730.6 v1(2904.34,4730.6) ; U10.M2@2890.05,4899.84 v1(2904.34,4885.59) ; U10.H2@2890.05,5057.32 U10.H2@2890.05,5057.32 v1(2904.38,5043.07) ; U10.D2@2890.05,5214.8 v1(2901.03,5203.87) ; U10.W4@2968.79,4624.25 2971.31,4621.73 2982.94,4610.1 v1(2983.12,4610.1) ; U10.P4@2968.79,4821.1 2983.04,4806.85 v1(2983.12,4806.85) ; U10.K4@2968.79,4978.58 2969.82,4978.58 v1(2983.73,4964.67) ; U10.F4@2968.79,5136.06 2968.87,5136.06 v1(2983.12,5121.81) ; U10.AC6@3047.53,4466.77 3047.61,4466.77 v1(3061.86,4452.52) ; U10.W6@3047.53,4624.25 3049.62,4624.25 3060.42,4613.45 v1(3061.86,4613.45) ; U10.J6@3047.53,5017.95 3047.61,5017.95 v1(3061.86,5003.7) ; U10.T7@3086.9,4742.36 v1(3101.23,4728.11) v1(3101.23,4728.11) ; U10.M7@3086.9,4899.84 3089.38,4897.36 3089.46,4897.36 3101.25,4885.58 v1(3102.04,4885.58) ; U10.P9@3165.64,4821.1 3165.72,4821.1 v1(3178.99,4807.84) ; U10.J21@3638.08,5017.95 3638.17,5017.95 v1(3659.02,4997.1) ; U10.K23@3716.82,4978.58 3717.85,4978.58 v1(3731.76,4964.67) ; U10.F23@3716.82,5136.06 3716.91,5136.06 v1(3728.51,5124.46) ; U10.M25@3795.56,4899.84 U10.M25@3795.56,4899.84 v1(3809.9,4885.59) ; U10.D25@3795.56,5214.8 U10.D25@3795.56,5214.8 v1(3807.25,5203.2) ; U10.H25@3795.56,5057.32 v1(3809.85,5043.07) ; v1(5303.72,7160) R58.2@5303.72,7180.83
  other v1: 4494.3,3471.79 4471.11,3502.92 4412.92,3503.56 2630.87,4458.65 2764.6,4480.2 2668.34,4493.52 2773.55,4733.18 2748.79,5209.31 2652.34,5210.66 4011.88,5227.75 2607.44,5252.76 3915.29,5253.37 4037.45,5272.26 4945.07,6435.17
1V8D: C24.1 C25.2 C26.2 C51.2 C52.2 C53.2 C54.2 C55.2 C182.2 C183.2 C184.2 C185.2 C199.2 C200.2 C201.2 C202.2 C203.2 C204.2 C219.2 C220.2 C221.2 C222.2 C223.2 C224.2 C225.2 U1.1 U1.2 U1.4 U5.4 U5.5 U10.AB23 U10.AD25 U10.M20 U10.P23 U10.T25 U10.U18 U10.V21 U10.W23 U10.Y25 U17.1 U17.2 U17.8 U17.29 U17.35 U19.1 U19.38 U19.48 U19.58 | length 1153
  Top w4: v1(3530.17,4693.48) 3546.17,4677.48 3624.23,4677.48 U10.V21@3638.08,4663.62 ; v1(3613.04,4885.59) 3632.56,4885.59 3671.54,4846.61 3691.31,4846.61 U10.P23@3716.82,4821.1 ; v1(3731.15,4806.85) 3750.67,4806.85 3795.56,4761.96 U10.T25@3795.56,4742.36
  Top w10: C224.2@2418.94,691.08 U19.38@2418.94,735.98 ; U19.1@2615.79,1088.34 2615.79,1122.5 ; U19.58@2644.33,941.69 2644.79,941.22 v1(2672.47,941.22) 2691.78,941.22 C222.2@2691.97,941.03 ; U10.U18@3519.97,4702.99 3520.66,4702.99 v1(3530.17,4693.48) ; U10.M20@3598.71,4899.84 v1(3613.04,4885.59) v1(3613.04,4885.59) ; U10.V21@3638.08,4663.62 3639.11,4663.62 v1(3653.33,4649.4) ; U10.AB23@3716.82,4506.14 3716.91,4506.14 v1(3731.15,4491.89) ; U10.W23@3716.82,4624.25 3731.07,4610 v1(3731.15,4610) ; U10.P23@3716.82,4821.1 3716.91,4821.1 v1(3731.15,4806.85) ; U10.AD25@3795.56,4427.4 3809.81,4413.15 v1(3809.9,4413.15) ; U10.Y25@3795.56,4584.88 U10.Y25@3795.56,4584.88 v1(3809.9,4570.63) ; U10.T25@3795.56,4742.36 U10.T25@3795.56,4742.36 v1(3796.61,4741.4) ; C55.2@3900.92,4733 3928.44,4733 ; v1(3928.44,4739.71) 3928.44,4733 ; v1(3952.55,4719.76) 3952.03,4720.27 3952.03,4721.71 3940.74,4733 3928.44,4733 ; U1.4@4210.2,3421.71 4231.35,3421.71 4232.26,3422.61 4238.91,3422.61 4244.77,3428.47 4244.77,3454.31 4238.35,3460.73 4210.54,3460.73 U1.2@4210.2,3461.08
  Top w12: U17.35@2228.96,3618.94 C202.2@2228.96,3659.99 ; C203.2@2346.92,3660.31 2346.99,3660.23 2346.99,3619.02 U17.29@2347.07,3618.94
  Top w15: C204.2@2347.07,3302.5 U17.8@2347.07,3345.32
  Top w20: C199.2@2189.27,3693.47 2189.27,3674.76 2204.03,3659.99 C202.2@2228.96,3659.99 ; C203.2@2346.92,3660.31 2372.64,3660.31 C200.2@2387.07,3674.73 ; C204.2@2347.07,3302.5 2366.99,3302.5 C201.2@2384.38,3285.11
  Top w25: C220.2@2615.52,1191.21 2615.79,1190.95 C225.2@2615.79,1153.58 2615.79,1122.5
  other v1: 2593.5,679.19 2611.08,711.35 2419.15,712.27 2648.9,714.49 2628.67,731.07 2668.12,731.95 2624.37,1130.48 2606.32,1172.41 2754.99,3043.05 2808.96,3067.62 2721.12,3081.02 2752.01,3119.36 2773.97,3160.3 2172.38,3276.72 2140.7,3291.38 2369.69,3305.63 2346.81,3323.49 2218.36,3326.04 4245.37,3428.59 4173.15,3461.37 4202.28,3490.27 3879.51,3492.93 4172.18,3505.8 3888.95,3547.08 3838.57,3571.64 2347.09,3637.93 2229.4,3638.84 2371.33,3655.03 2199.42,3666.33 3907.25,4460.91 4012.48,4465.83 3921.25,4492.22
3V3A: C42.1 C43.2 C189.2 C190.2 C191.2 C192.2 C193.2 C194.2 C195.2 C234.2 C235.2 C236.2 C237.2 C238.2 C239.2 L5.1 R23.2 SW2.1 SW2.4 SW3.1 SW3.4 U8.4 U8.5 U17.37 U17.40 U17.45 U17.48 U19.16 U19.33 U19.34 | length 1203.4
  Top w4: v1(1819.07,5228.74) L5.1@1846.79,5228.74
  Top w12: C192.2@2144.04,3645.3 v1(2180.73,3608.6) U17.37@2180.73,3590.39
  Top w15: C194.2@2118.41,3421.32 v1(2130,3432.91) U17.45@2180.73,3432.91 ; C193.2@2118.57,3548.84 2136.07,3531.34 U17.40@2180.73,3531.34 ; C195.2@2141.18,3362.55 2150.5,3371.87 2178.75,3371.87 U17.48@2180.73,3373.86
  Top w20: C189.2@1898.72,3692.5 C190.2@1948.72,3692.5 C191.2@1996.22,3692.5 2096.83,3692.5 C192.2@2144.04,3645.3
  Top w35: SW3.1@2503.15,1600.66 2505.27,1602.79 2505.27,1684.48 2650.57,1829.78 2650.57,1856.35 SW3.4@2660.63,1866.41 ; SW2.1@3043.15,1600.66 3043.15,1682.36 SW2.4@3188.45,1827.66 ; R23.2@3971.89,1901.08 4013.67,1901.08
  other v1: 2320.89,637.95 2309.16,675.63 2331.43,714.94 2314.83,718.73 2272.15,720.5 2263.59,737.22 2306.52,737.09 2260.41,1082.1 2309.23,1083.79 2270.47,1094.84 2299.88,1110.43 2323.76,1110.25 2514.4,1662.55 3054.4,1662.55 2496.58,1685.6 3036.58,1685.6 2601.18,1783.49 3141.18,1783.49 2624.24,1805.5 3164.24,1805.5 4016.54,1891.98 3999.1,1909.84 2156.18,3371.87 2133.57,3531.34 2123.65,3667.44 1923.87,3692.37 1972.11,3693.12 2021.11,3692.67 2091.67,3693.64 2127.25,4009.62 2169.1,4055.74 2083.46,4060 1754.65,4187.71 1588.81,4191.13